# Altium PCB PCB_CL-STM32.PcbDoc
Units mil, origin at the board's own origin, x right, y up, seen from the top; angles counter-clockwise.
Board outline 3050.03 x 2379.03 mil, 2 copper layers (Top Layer, Bottom Layer); 95 components, 109 nets, 410 pads, 271 vias.
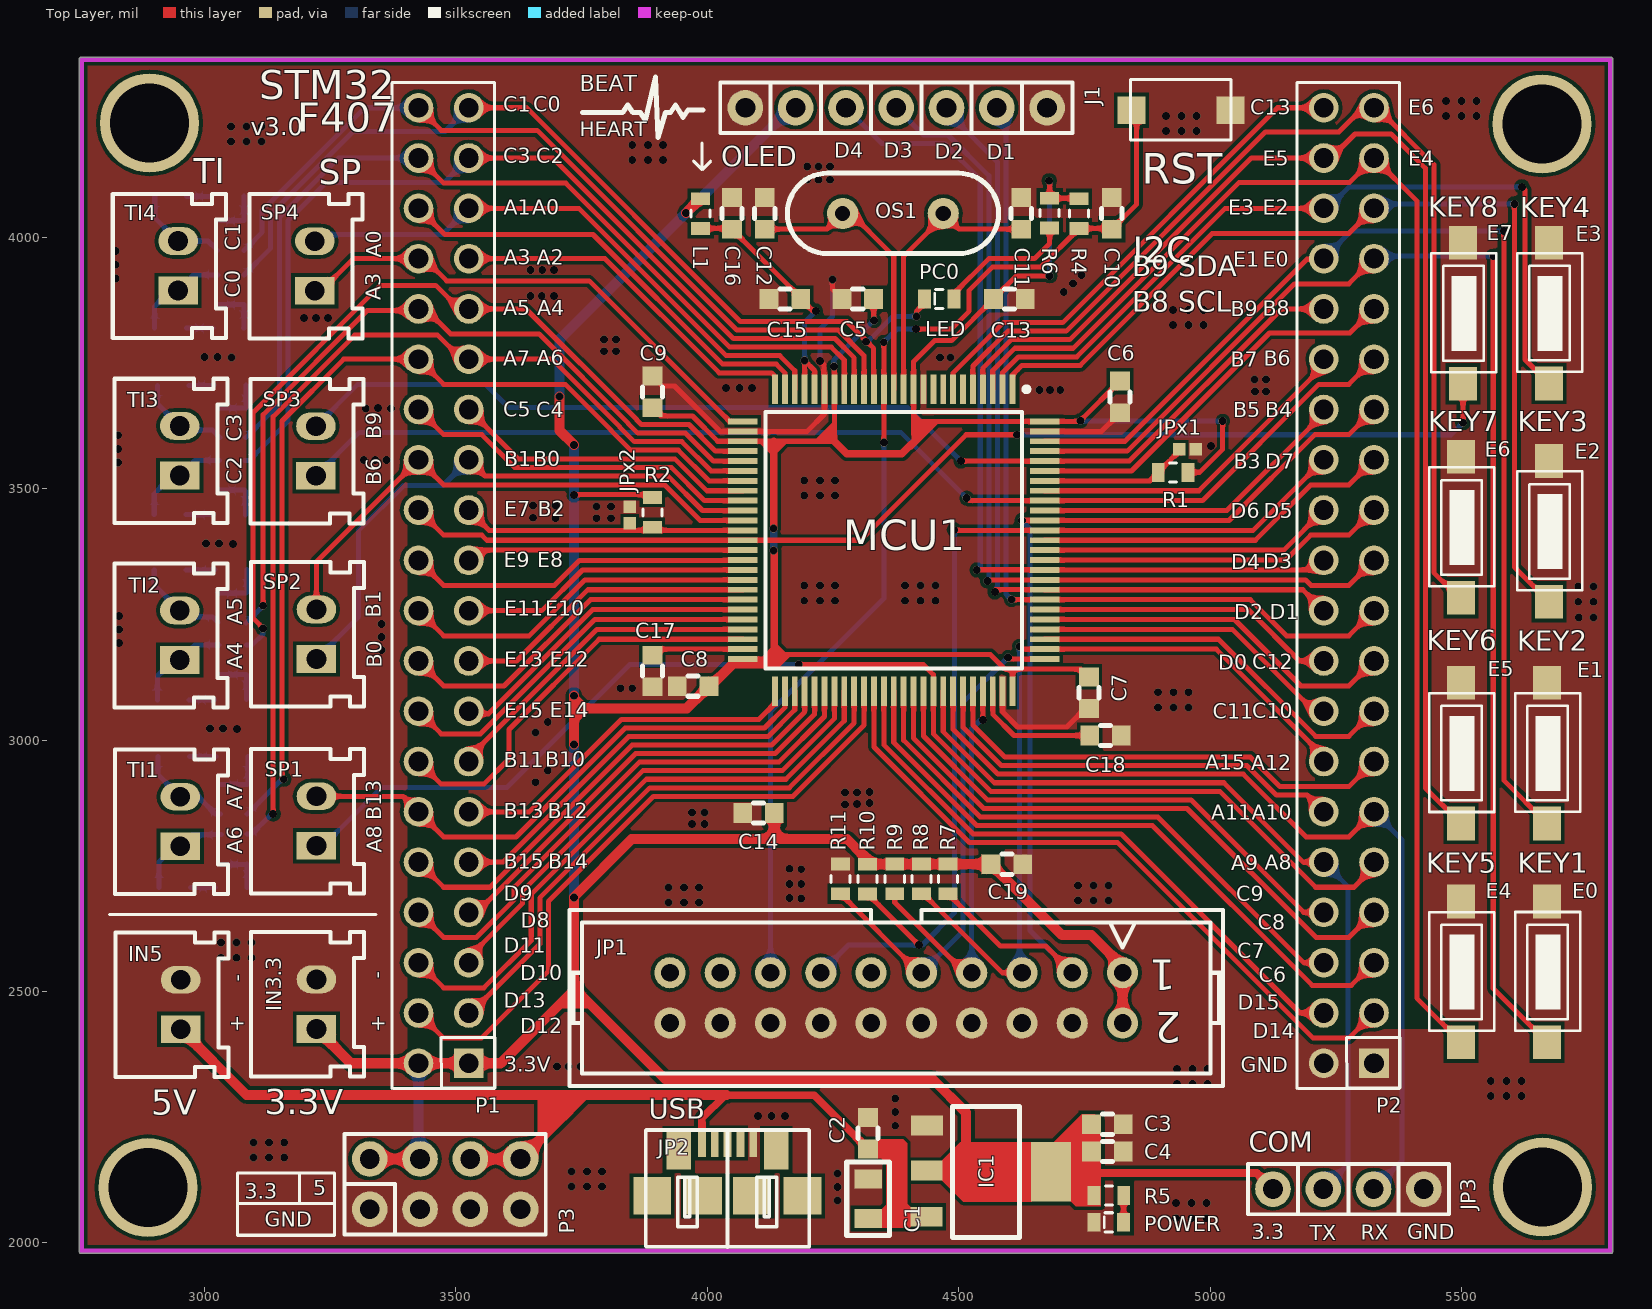
[diagram p0: Top Layer view]
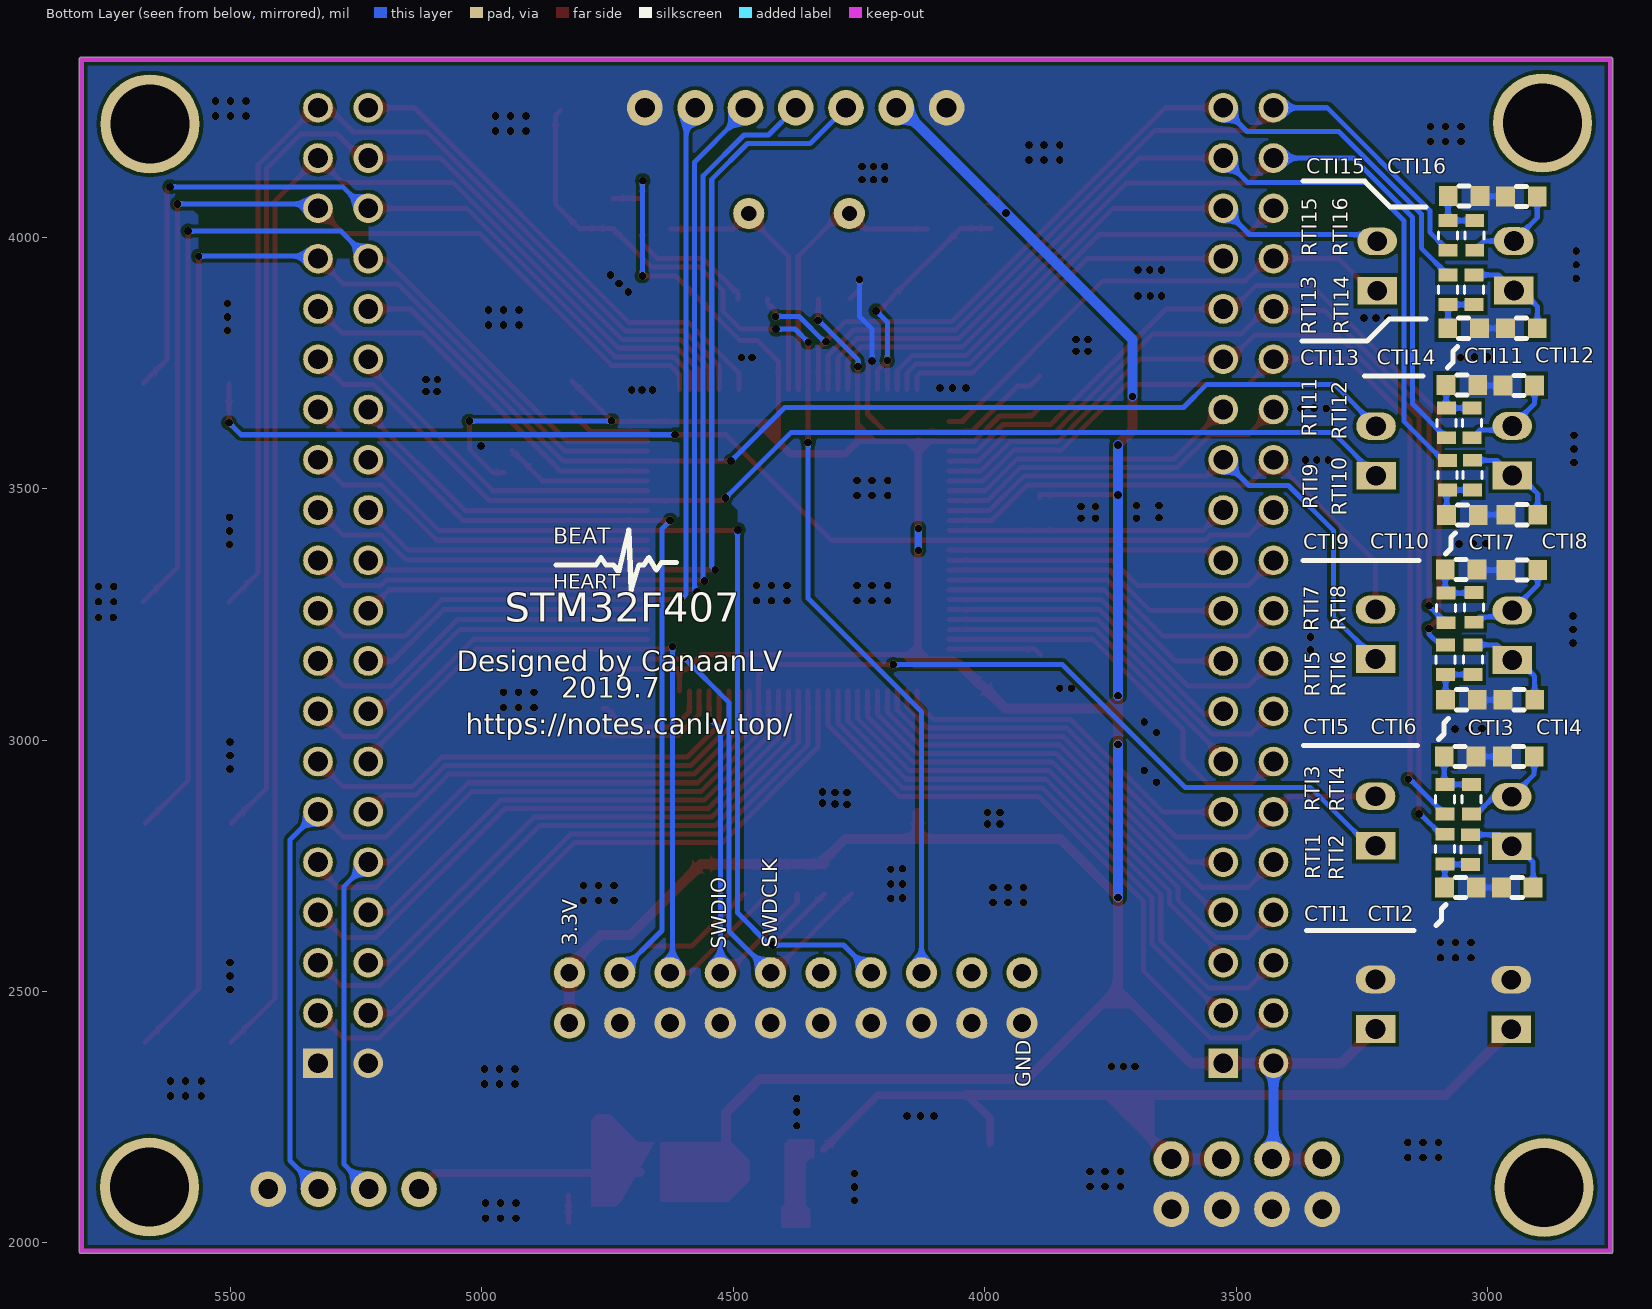
[diagram p1: Bottom Layer view, seen from below]
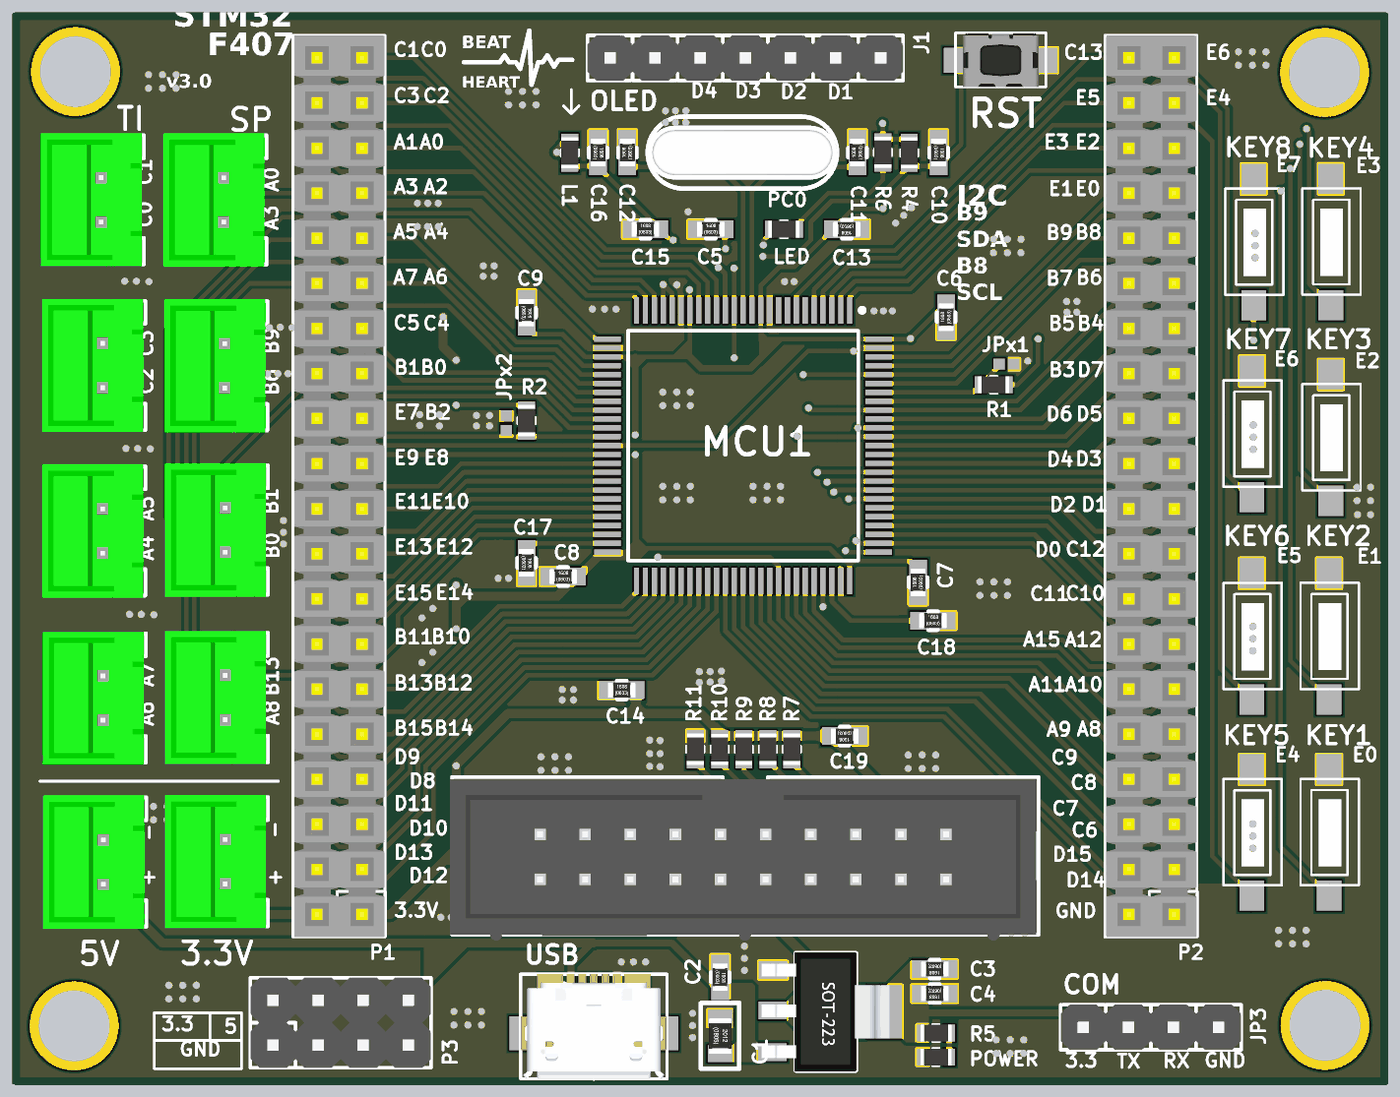
[diagram p2: 3D render of the assembled board from above, using the file's embedded part models]
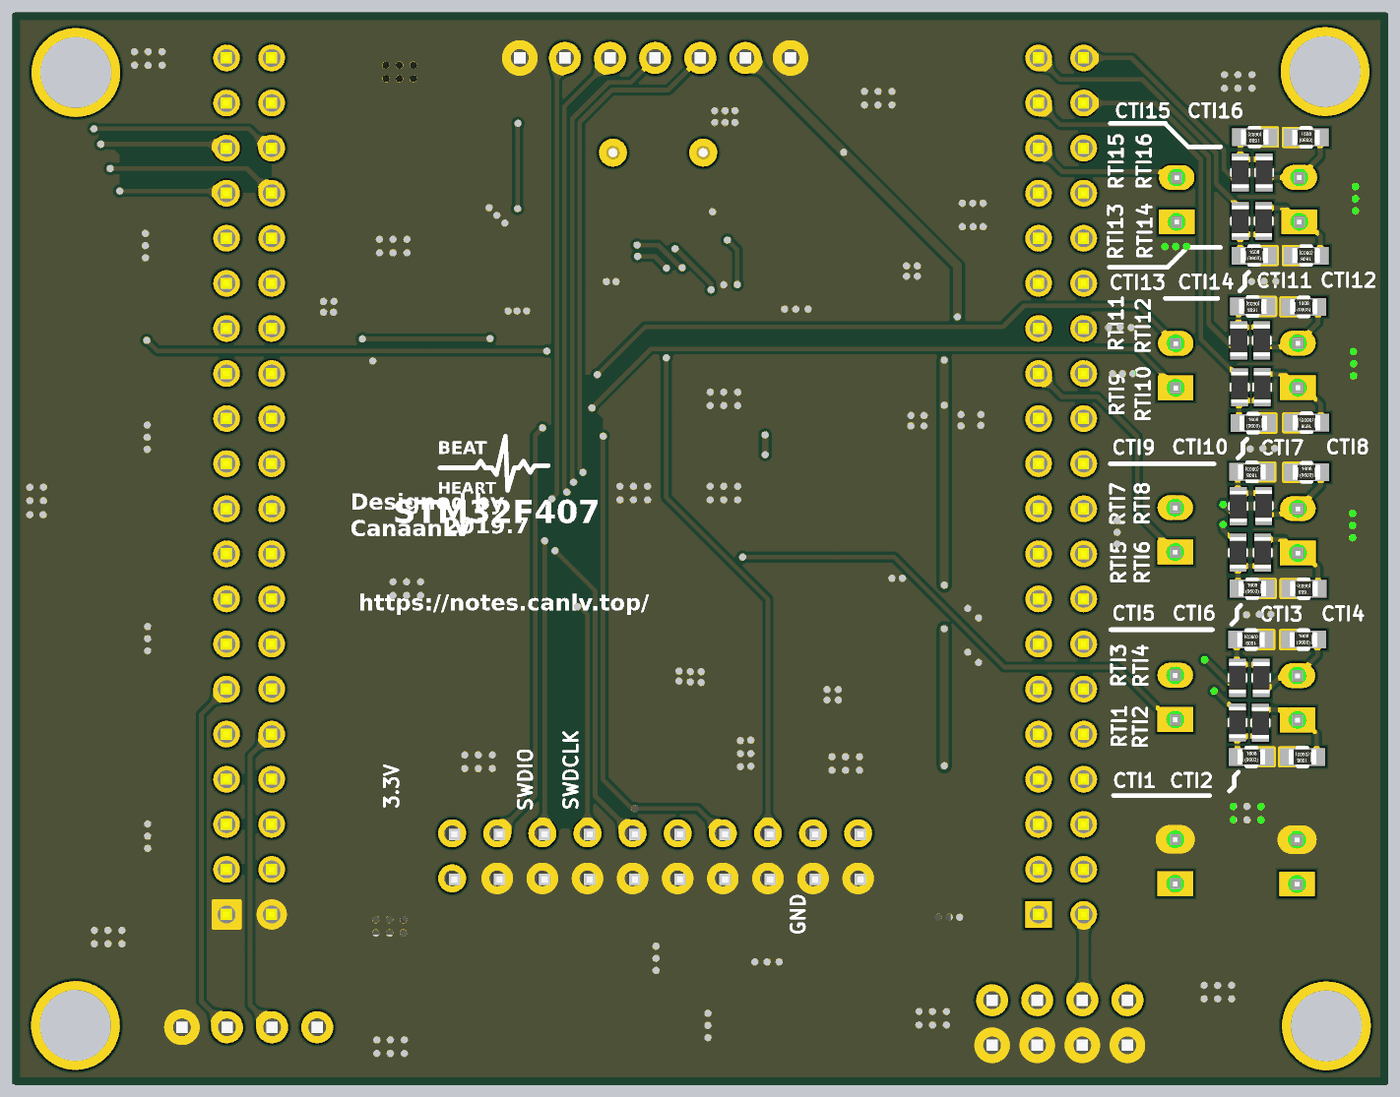
[diagram p3: 3D render of the assembled board from below, using the file's embedded part models]

## Layer stack, top to bottom
Top Solder: solder mask 0.4, Solder Resist, Dk 3.5
Top Layer: signal copper 1.4
Dielectric 1: dielectric 12.6, FR-4, Dk 4.8
Bottom Layer: signal copper 1.4
Bottom Solder: solder mask 0.4, Solder Resist, Dk 3.5

## Board outline
2750.99,1984 ccw(c2756,1984) 2756,1978.98 5796,1978.98 ccw(c5796,1984) 5801.02,1984 5801.02,4353 ccw(c5796,4353) 5796,4358.02 2756,4358.02 ccw(c2756,4353) 2750.99,4353

## Design rules (kind name [scope] priority, off if disabled: settings)
Clearance [All] p1: gap=7
PolygonConnect [All] p1: connectstyle=Direct reliefconductorwidth=10 reliefentries=4 polygonreliefangle="90 Angle" airgapwidth=10
RoomDefinition Sheet_CL-STM32 [InComponentClass('STM32_Sheet_1')] p1: confinementstyle=ConfineIn formatcopy=TRUE lockcomponents=FALSE outline 2756,1984 5796,1984 5796,4353 2756,4353
RoutingVias [All] p1: holewidth=11.81 width=50 viastyle="Through Hole" minholewidth=11.81 minwidth=12 maxholewidth=28 maxwidth=50
SolderMaskExpansion [All] p1: expansion=4
Width [All] p1: maxlimit=25 minlimit=7 preferedwidth=10
30 further rules are at their usual default settings.

## Components (designator, comment, footprint, x,y, rotation, side; value= is the part's Value field where it differs from the comment)
C1 "220uF" 0805 4320,2088 r270 top
C2 "0.1uF" 0603 4320,2218 r270 top
C3 "0.1uF" 0603 4795.77,2235.94 r180 top
C4 "10uF" 0603 4795.77,2181.94 r180 top
C5 "0.1uF" 0603 4299.45,3877.23 r0 top
C6 "0.1uF" 0603 4820.94,3682.23 r90 top
C7 "0.1uF" 0603 4759,3094 r90 top
C8 "0.1uF" 0603 3972,3107 r0 top
C9 "0.1uF" 0603 3890.94,3692.23 r270 top
C10 "0.1uF" 0603 4804.45,4047.23 r270 top
C11 "22pF" 0603 4624.45,4047.23 r90 top
C12 "22pF" 0603 4114.45,4047.23 r90 top
C13 "0.1uF" 0603 4600.94,3877.23 r180 top
C14 "0.1uF" 0603 4102,2855 r0 top
C15 "0.1uF" 0603 4154.45,3877.23 r0 top
C16 "10uF" 0603 4049.45,4047.23 r270 top
C17 "2.2uF" 0603 3890.94,3137.23 r270 top
C18 "2.2uF" 0603 4792,3009 r0 top
C19 "0.1uF" 0603 4596,2753 r180 top
CTI1 "0.1uF" 0603 3054.18,2706.69 r180 bottom
CTI2 "0.1uF" 0603 2941.18,2706.69 r0 bottom
CTI3 "0.1uF" 0603 3055,2967 r0 bottom
CTI4 "0.1uF" 0603 2939,2967 r180 bottom
CTI5 "0.1uF" 0603 3052.18,3080.14 r180 bottom
CTI6 "0.1uF" 0603 2938,3080 r0 bottom
CTI7 "0.1uF" 0603 3053,3339 r0 bottom
CTI8 "0.1uF" 0603 2932,3338 r180 bottom
CTI9 "0.1uF" 0603 3050.18,3447.14 r180 bottom
CTI10 "0.1uF" 0603 2932,3448 r0 bottom
CTI11 "0.1uF" 0603 3051.18,3706.14 r0 bottom
CTI12 "0.1uF" 0603 2938.18,3705.14 r180 bottom
CTI13 "0.1uF" 0603 3047.94,3818.81 r180 bottom
CTI14 "0.1uF" 0603 2932.94,3818.81 r0 bottom
CTI15 "0.1uF" 0603 3046.94,4081.81 r0 bottom
CTI16 "0.1uF" 0603 2933,4081 r180 bottom
IC1 "AMS1117" AMS1117 4556.94,2136.23 r270 top
IN3.3 "SIP2" 2.54XH接插件2P 3223,2425.57 r90 top
IN5 "SIP2" 2.54XH接插件2P 2953.06,2424.77 r90 top
J1 "CON7" 2.54排针1X7 4375.94,4257.23 r0 top
JP1 "JLINK" 2.54简易牛角座20p 4825.94,2537.23 r180 top
JP2 "USB-Micro" USB-MICRO贴片 4040,2146 r0 top
JP3 "USART1" 2.54排针1X4 5425,2107 r0 top
JPx1 "Select" 选择焊点-0402 4955,3578 r0 top
JPx2 "Select" 选择焊点-0402 3845.94,3447.23 r90 top
KEY1 "按键" SWT6*3 5669.89,2399.03 r90 top
KEY2 "按键" SWT6*3 5669.89,2834 r90 top
KEY3 "按键" SWT6*3 5673.89,3274.96 r90 top
KEY4 "按键" SWT6*3 5673.89,3708.93 r90 top
KEY5 "按键" SWT6*3 5498.89,2398.9 r90 top
KEY6 "按键" SWT6*3 5498.89,2833.87 r90 top
KEY7 "按键" SWT6*3 5499,3283 r90 top
KEY8 "按键" SWT6*3 5502.89,3708.57 r90 top
L1 "10uh" 0603-res 3986.94,4017.23 r90 top
LED "LED" D0603 4490.94,3877.23 r180 top
MCU1 "STM32F407VE" F-QFP14x14-G100/P.5N 4370.94,3397.23 r270 top
OS1 "" HC-49S 4369.45,4047.23 r0 top
P1 "Header 20X2" 2.54排针2X20 3525.94,2357.23 r90 top
P2 "Header 20X2" 2.54排针2X20 5325.94,2357.23 r90 top
P3 "3.3-GND" 2.54排针2X4 3329,2067 r0 top
POWER "LED" D0603 4828,2041 r180 top
R1 "10K" 0603-res 4955.94,3532.23 r180 top
R2 "10K" 0603-res 3890.94,3482.23 r270 top
R4 "10K" 0603-res 4739.45,4017.23 r90 top
R5 "330" 0603-res 4769.23,2094.06 r0 top
R6 "330" 0603-res 4680.94,4077.23 r270 top
R7 "10K" 0603-res 4478.94,2694.23 r90 top
R8 "10K" 0603-res 4425.94,2694.23 r90 top
R9 "10K" 0603-res 4372.94,2694.23 r90 top
R10 "10K" 0603-res 4319,2694 r90 top
R11 "10K" 0603-res 4264.94,2753.29 r270 top
RST "按键" 按键微动开关2 4942,4253 r0 top
RTI1 "10K" 0603-res 3085.18,2812.69 r270 bottom
RTI2 "10K" 0603-res 3034.18,2752.69 r90 bottom
RTI3 "10K" 0603-res 3085.18,2852.69 r90 bottom
RTI4 "10K" 0603-res 3032.18,2911.69 r270 bottom
RTI5 "10K" 0603-res 3084.18,3189.14 r270 bottom
RTI6 "10K" 0603-res 3029.18,3130.14 r90 bottom
RTI7 "10K" 0603-res 3083.18,3233.14 r90 bottom
RTI8 "10K" 0603-res 3027.18,3293.14 r270 bottom
RTI9 "10K" 0603-res 3080.18,3556.14 r270 bottom
RTI10 "10K" 0603-res 3030.18,3497.14 r90 bottom
RTI11 "10K" 0603-res 3082.18,3601.14 r90 bottom
RTI12 "10K" 0603-res 3031.18,3660.14 r270 bottom
RTI13 "10K" 0603-res 3078.94,3924.81 r270 bottom
RTI14 "10K" 0603-res 3026.94,3865.81 r90 bottom
RTI15 "10K" 0603-res 3078.94,3973.81 r90 bottom
RTI16 "10K" 0603-res 3025.94,4032.81 r270 bottom
SP1 "SIP2" 2.54XH接插件2P 3223,2789.57 r90 top
SP2 "SIP2" 2.54XH接插件2P 3223,3161.3 r90 top
SP3 "SIP2" 2.54XH接插件2P 3222,3525.57 r90 top
SP4 "SIP2" 2.54XH接插件2P 3219.77,3893.52 r90 top
TI1 "SIP2" 2.54XH接插件2P 2952.18,2788.69 r90 top
TI2 "SIP2" 2.54XH接插件2P 2951.18,3159.14 r90 top
TI3 "SIP2" 2.54XH接插件2P 2951.18,3526.14 r90 top
TI4 "SIP2" 2.54XH接插件2P 2947.94,3893.81 r90 top

## Footprints (in the part's own frame and the unit in brackets; to place one, negate y for a bottom-side part, rotate by r counter-clockwise, add the part's x,y. Pads: shape width x height; smd on the part's side, far side on the other; paste and mask are expansions set on the pad)
2.54XH接插件2P [mm]
  rect 1.4x2 hole 1: 1(0,0)
  oval 1.4x2 hole 1: 2(2.5,0)
  silkscreen extent -2.41,-2.41 4.88,3.3, body extent -2.51,-2.3 4.99,3.4, height 7
2.54排针1X4 [mm]
  round 1.8 hole 1: 1(-7.62,0) 2(-5.08,0) 3(-2.54,0) 4(0,0)
  silkscreen extent -8.89,-1.27 1.27,1.27, body extent -8.89,-1.27 1.27,1.27, height 2.5
2.54排针1X7 [mm]
  round 1.8 hole 1: 1(-7.62,0) 2(-5.08,0) 3(-2.54,0) 4(0,0) 5(2.54,0) 6(5.08,0) 7(7.62,0)
  silkscreen extent -8.89,-1.27 8.89,1.27, body extent -8.89,-1.27 8.89,1.27, height 2.5
2.54排针2X4 [mm]
  round 1.8 hole 1: 1(0,0) 2(0,2.54) 3(2.54,0) 4(2.54,2.54) 5(5.08,0) 6(5.08,2.54) 7(7.62,2.54) 8(7.62,0)
  silkscreen extent -1.27,-1.27 8.89,3.81, body extent -1.27,-1.27 8.89,3.81, height 2.5
2.54排针2X20 [mm]
  rect 1.5x1.5 hole 1: 1(0,0)
  round 1.5 hole 1: 2(0,2.54) 3(2.54,0) 4(2.54,2.54) 5(5.08,0) 6(5.08,2.54) 7(7.62,0) 8(7.62,2.54) 9(10.16,0) 10(10.16,2.54) 11(12.7,0) 12(12.7,2.54) 13(15.24,0) 14(15.24,2.54) 15(17.78,0) 16(17.78,2.54) 17(20.32,0) 18(20.32,2.54) 19(22.86,0) 20(22.86,2.54) 21(25.4,0) 22(25.4,2.54) 23(27.94,0) 24(27.94,2.54) 25(30.48,0) 26(30.48,2.54) 27(33.02,0) 28(33.02,2.54) 29(35.56,0) 30(35.56,2.54) 31(38.1,0) 32(38.1,2.54) 33(40.64,0) 34(40.64,2.54) 35(43.18,0) 36(43.18,2.54) 37(45.72,0) 38(45.72,2.54) 39(48.26,0) 40(48.26,2.54)
  silkscreen extent -1.27,-1.32 49.53,3.89, body extent -1.27,-1.28 49.53,3.8, height 8.89
2.54简易牛角座20p [mil]
  round 62 hole 35: 1(0,0) 2(0,100) 3(100,0) 4(100,100) 5(200,0) 6(200,100) 7(300,0) 8(300,100) 9(400,0) 10(400,100) 11(500,0) 12(500,100) 13(600,0) 14(600,100) 15(700,0) 16(700,100) 17(800,0) 18(800,100) 19(900,0) 20(900,100)
  silkscreen extent -200,-125 1100,225, body extent -195,-120 1105,238, height 344
0603 [mm] "SMD, 0603"
  rect 0.95x1 smd: 1(-0.8,0) 2(0.8,0)
  silkscreen extent -0.25,-0.51 0.25,0.51, body extent -0.77,-0.43 0.77,0.43, height 0.45
0603-res [mm]
  rect 0.65x0.95 smd: 1(0,0) 2(1.5,0)
  silkscreen extent 0.57,-0.48 0.93,0.48, body extent -0.12,-0.48 1.63,0.48, height 0.35
0805 [mm] "SMD, 0805"
  rect 0.95x1.4 smd: 1(-1,0) 2(1,0)
  silkscreen extent -1.85,-1.08 1.85,1.08, body extent -1,-0.62 1,0.63, height 0.45
AMS1117 [mm]
  rect 1x1.6 smd: 1(-2.475,-3.041) 2(-0.2,-3.058) 3(2.142,-3.071)
  rect 3x2 smd: 2(-0.129,3.216)
  silkscreen extent -3.43,-1.75 3.18,1.63, body extent -3.48,-3.68 3.22,3.52, height 1.85
D0603 [mm]
  rect 0.65x0.95 smd: 1(0,0) 2(1.5,0)
  silkscreen extent 0.57,-0.48 0.97,0.48, body extent -0.12,-0.48 1.63,0.48, height 0.35
F-QFP14x14-G100/P.5N [mm] "QFP; 100 Leads; Body 14 x 14 mm; Pitch 0.5 mm"
  rect 1.5x0.3 smd: 1(-7.625,6) 2(-7.625,5.5) 3(-7.625,5) 4(-7.625,4.5) 5(-7.625,4) 6(-7.625,3.5) 7(-7.625,3) 8(-7.625,2.5) 9(-7.625,2) 10(-7.625,1.5) 11(-7.625,1) 12(-7.625,0.5) 13(-7.625,0) 14(-7.625,-0.5) 15(-7.625,-1) 16(-7.625,-1.5) 17(-7.625,-2) 18(-7.625,-2.5) 19(-7.625,-3) 20(-7.625,-3.5) 21(-7.625,-4) 22(-7.625,-4.5) 23(-7.625,-5) 24(-7.625,-5.5) 25(-7.625,-6) 51(7.625,-6) 52(7.625,-5.5) 53(7.625,-5) 54(7.625,-4.5) 55(7.625,-4) 56(7.625,-3.5) 57(7.625,-3) 58(7.625,-2.5) 59(7.625,-2) 60(7.625,-1.5) 61(7.625,-1) 62(7.625,-0.5) 63(7.625,0) 64(7.625,0.5) 65(7.625,1) 66(7.625,1.5) 67(7.625,2) 68(7.625,2.5) 69(7.625,3) 70(7.625,3.5) 71(7.625,4) 72(7.625,4.5) 73(7.625,5) 74(7.625,5.5) 75(7.625,6)
  rect 0.3x1.5 smd: 26(-6,-7.625) 27(-5.5,-7.625) 28(-5,-7.625) 29(-4.5,-7.625) 30(-4,-7.625) 31(-3.5,-7.625) 32(-3,-7.625) 33(-2.5,-7.625) 34(-2,-7.625) 35(-1.5,-7.625) 36(-1,-7.625) 37(-0.5,-7.625) 38(0,-7.625) 39(0.5,-7.625) 40(1,-7.625) 41(1.5,-7.625) 42(2,-7.625) 43(2.5,-7.625) 44(3,-7.625) 45(3.5,-7.625) 46(4,-7.625) 47(4.5,-7.625) 48(5,-7.625) 49(5.5,-7.625) 50(6,-7.625) 76(6,7.625) 77(5.5,7.625) 78(5,7.625) 79(4.5,7.625) 80(4,7.625) 81(3.5,7.625) 82(3,7.625) 83(2.5,7.625) 84(2,7.625) 85(1.5,7.625) 86(1,7.625) 87(0.5,7.625) 88(0,7.625) 89(-0.5,7.625) 90(-1,7.625) 91(-1.5,7.625) 92(-2,7.625) 93(-2.5,7.625) 94(-3,7.625) 95(-3.5,7.625) 96(-4,7.625) 97(-4.5,7.625) 98(-5,7.625) 99(-5.5,7.625) 100(-6,7.625)
  silkscreen extent -7.75,-6.47 6.48,6.83
HC-49S [mil]
  round 62 hole 30: 1(-100,0) 2(100,0)
  silkscreen extent -210,-80 210,80, body extent -210,-60 210,60, height 122
SWT6*3 [mm]
  rect 1.7x1.4 smd: 1(0,0) 2(7.112,0)
  silkscreen extent 0.58,-1.68 6.58,1.6
USB-MICRO贴片 [mm]
  rect 1.9x1.9 smd: 0(-3.797,-1.333) 0(-1.206,-1.333) 0(1.232,-1.333) 0(3.797,-1.333)
  rect 1.25x2 smd: 0(-2.451,1.003) 0(2.476,1.003)
  rect 0.4x1.4 smd: 1(-1.283,1.333) 2(-0.635,1.333) 3(0.013,1.333) 4(0.66,1.333) 5(1.308,1.333)
  silkscreen extent -4.13,-3.91 4.13,1.99, body extent -4.1,-3.91 4.1,2.02, height 2.77
按键微动开关2 [mm]
  rect 1.4x1.4 smd: 1(-2.5,-0.024) 2(2.5,-0.024)
  silkscreen extent -2.54,-1.52 2.54,1.52, body extent -2.5,-1.52 2.5,1.48, height 2.1
选择焊点-0402 [mm]
  rect 0.63x0.62 smd: 1(-0.417,0) 2(0.417,0)

## Part data
C1 C2 C3 C4 C5 C6 C7 C8 C9 C10 C11 C12 C13 C14 C15 C16 C17 C18 C19 CTI1 CTI2 CTI3 CTI4 CTI5 CTI6 CTI7 CTI8 CTI9 CTI10 CTI11 CTI12 CTI13 CTI14 CTI15 CTI16: library part Cap1
IC1: library part CJA1117
IN3.3 IN5 SP1 SP2 SP3 SP4 TI1 TI2 TI3 TI4: "jointbar"
J1: "Connector"
JP1: library part PIN-20
JP3: library part SIP-4
L1: library part 电感
OS1: library part JT
P1 P2: "Header, 20-Pin, Dual row"
P3: library part PIN-8
R1 R2 R4 R5 R6 R7 R8 R9 R10 R11 RTI1 RTI2 RTI3 RTI4 RTI5 RTI6 RTI7 RTI8 RTI9 RTI10 RTI11 RTI12 RTI13 RTI14 RTI15 RTI16: library part Res

## Free pads (board coordinates)
  round 196.85 hole 157.48: 2(2891,4227) 3(2888,2110) 4(5661,2111) 5(5660,4225)

## Via types
v1: diameter 15.75, hole 15.75, Top Layer to Bottom Layer, tented both sides, 271 vias
